# Altium PCB PCB1.PcbDoc (part 2 of 2)
Units mm, origin at the board's own origin, x right, y up, seen from the top; angles counter-clockwise.
Board outline 105.66 x 120.9 mm, 5 copper layers (Top Layer, Mid-Layer 1, Mid-Layer 2, Mid-Layer 3, Bottom Layer); 61 components, 197 nets, 573 pads, 89 vias.
Unrouted connection lines stored in the file: 30.
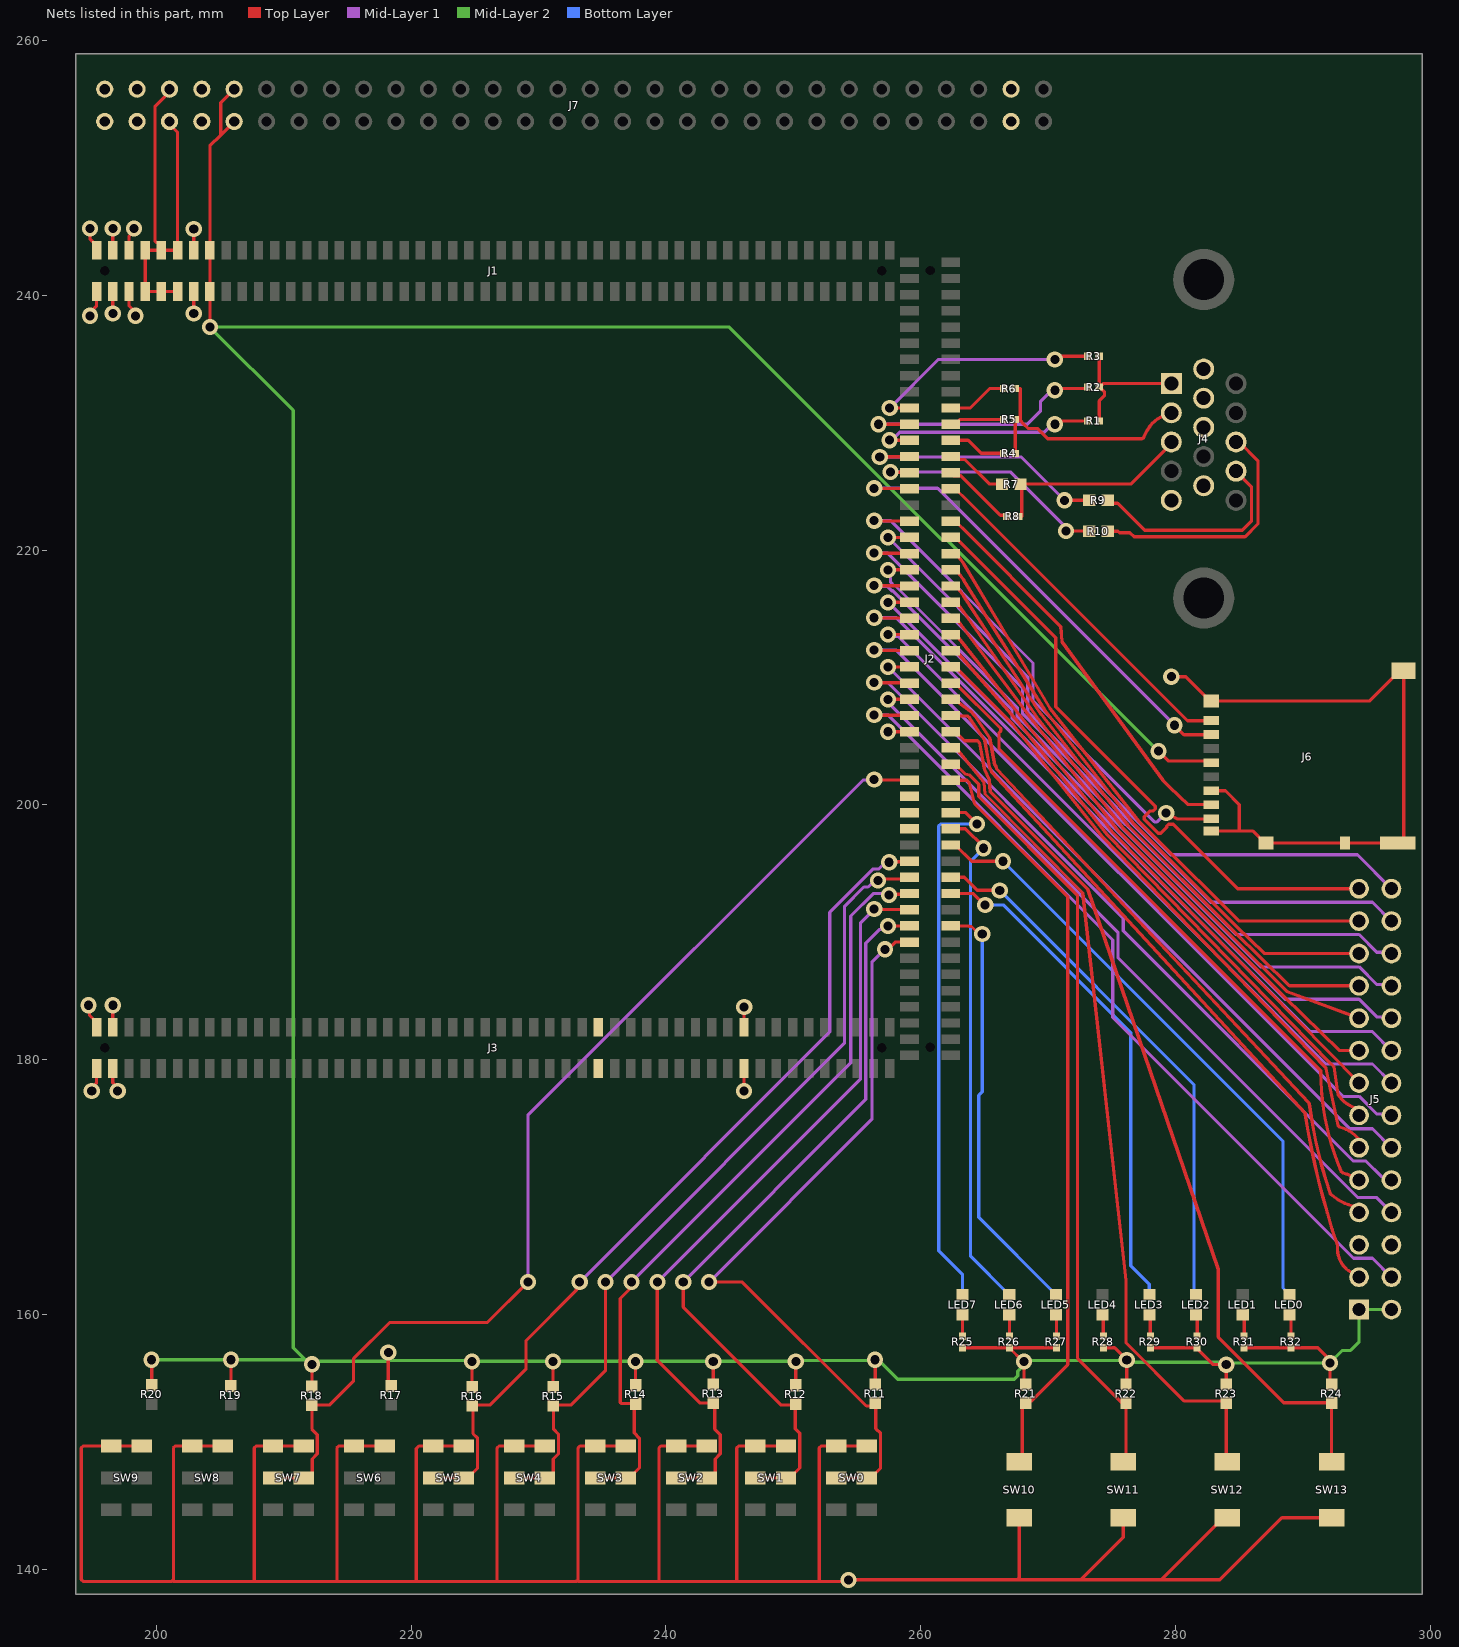
[diagram p5: the nets of this part, all layers, seen from the top]

## Via types
v1: diameter 1.27, hole 0.711, Top Layer to Bottom Layer, 89 vias

## Nets (pads, with @x,y where several pads share a name; then routed paths per layer and width w, separated by ;. In a path a pad name is that pad's centre, name@x,y a point inside that pad or via, vN(x,y) a via of type N, cw(c..) or ccw(c..) an arc to the next point about the centre after c; other vN are vias at no path point) (continued)
AB14: J2.29 J6.1 | length 28
  Top Layer w0.254: J2.29@262.346,224.795 262.711,224.795 263.23,224.276 263.259,224.276 280.925,206.61 J6.1@282.783,206.61
AB16: J2.30 J6.2 | length 37.3
  Top Layer w0.254: v1(256.338,224.842) 256.362,224.819 259.092,224.819 J2.30@259.116,224.795 ; v1(279.908,206.248) 280.646,205.51 J6.2@282.783,205.51
  Mid-Layer 1 w0.254: v1(256.338,224.842) 261.314,224.842 v1(279.908,206.248)
AC13: J2.27 R8.1 | length 5.8
  Top Layer w0.254: J2.27@262.346,226.065 262.589,225.822 263.145,225.822 266.244,222.723 266.666,222.723 R8.1@266.758,222.631
AC14: J2.28 R10.1 | length 18.8
  Top Layer w0.254: v1(257.631,226.129) 257.663,226.097 259.084,226.097 J2.28@259.116,226.065 ; v1(271.399,221.488) R10.1@272.835,221.488
  Mid-Layer 1 w0.254: v1(257.631,226.129) 267.012,226.129 271.399,221.742 v1(271.399,221.488)
AD13: J2.25 R7.1 | length 4.8
  Top Layer w0.254: J2.25@262.346,227.335 262.581,227.1 263.462,227.1 265.391,225.171 R7.1@266.231,225.171
AD14: J2.26 R9.1 | length 19.8
  Top Layer w0.254: v1(256.776,227.299) 256.794,227.317 259.098,227.317 J2.26@259.116,227.335 ; v1(271.272,223.901) R9.1@272.835,223.901
  Mid-Layer 1 w0.254: v1(256.776,227.299) 267.874,227.299 v1(271.272,223.901)
AD15: J2.20 R3.1 | length 18.8
  Top Layer w0.254: v1(257.556,231.14) 257.558,231.142 259.113,231.142 J2.20@259.116,231.145 ; v1(270.51,234.95) 270.785,234.95 271.039,235.204 R3.1@273.108,235.204
  Mid-Layer 1 w0.254: v1(257.556,231.14) 261.366,234.95 v1(270.51,234.95)
ADC_VN: J3.63
ADC_VP: J3.64
AE13: J2.23 R4.1 | length 4.6
  Top Layer w0.254: J2.23@262.346,228.605 263.705,228.605 264.726,227.584 R4.1@266.504,227.584
AE15: J2.24 R1.1 | length 17.4
  Top Layer w0.254: v1(257.537,228.619) 257.544,228.612 259.109,228.612 J2.24@259.116,228.605 ; v1(270.51,229.87) 270.785,229.87 271.039,230.124 272.729,230.124
  Mid-Layer 1 w0.254: v1(257.537,228.619) 257.723,228.619 258.348,229.244 269.699,229.244 270.324,229.87 v1(270.51,229.87)
AF13: J2.21 R5.1 | length 4.3
  Top Layer w0.254: J2.21@262.346,229.875 262.711,229.875 263.087,230.251 R5.1@266.504,230.251
AF14: J2.22 R2.1 | length 20.3
  Top Layer w0.254: v1(256.667,229.87) 256.669,229.872 259.113,229.872 J2.22@259.116,229.875 ; v1(270.51,232.537) 270.637,232.664 R2.1@272.908,232.664
  Mid-Layer 1 w0.254: v1(256.667,229.87) 268.351,229.87 269.397,230.916 269.397,231.678 270.256,232.537 v1(270.51,232.537)
AF15: J2.19 R6.1 | length 4.8
  Top Layer w0.254: J2.19@262.346,231.145 263.867,231.145 265.387,232.664 R6.1@266.504,232.664
B9: J2.83 LED5.1 | length 33.6
  Top Layer w0.254: J2.83@262.346,190.505 263.744,190.505 263.793,190.456 263.972,190.456 264.564,189.865 v1(264.818,189.865)
  Bottom Layer w0.254: v1(264.818,189.865) 264.818,177.484 264.541,177.207 264.541,167.642 LED5.1@270.601,161.582
B10: J2.66 R18.1 SW7.2 SW7.6 | length 84.8
  Top Layer w0.254: SW7.2@209.169,147.193 SW7.6@211.569,147.193 211.869,147.193 212.242,147.566 212.242,148.674 212.646,149.078 212.646,150.59 212.218,151.019 R18.1@212.217,152.908 213.578,152.908 215.492,154.822 215.492,156.564 218.313,159.385 225.99,159.385 v1(229.165,162.56) ; v1@256.362,201.959 J2.66@259.092,201.959
  Mid-Layer 1 w0.254: v1(229.165,162.56) 229.165,175.648 255.471,201.954 256.31,201.954 v1(256.338,201.982)
B11: J2.79 LED3.1 | length 39.8
  Top Layer w0.254: J2.79@262.346,193.045 264.108,193.045 265.002,192.151 v1(265.049,192.151)
  Bottom Layer w0.254: v1(265.049,192.151) 266.466,192.151 276.479,182.138 276.479,163.83 277.93,162.379 LED3.1@277.93,161.582
B12: J2.76 R16.1 SW5.2 SW5.6 | length 67.6
  Top Layer w0.254: SW5.2@221.742,147.193 SW5.6@224.142,147.193 224.442,147.193 225.219,147.97 225.219,150.308 224.861,150.666 224.861,152.379 ; R16.1@224.886,152.654 224.861,152.654 224.861,152.908 226.187,152.908 229.022,155.743 229.022,157.972 232.955,161.905 232.955,162.011 233.229,162.285 v1(233.229,162.56) ; v1(257.515,195.499) 257.557,195.542 259.073,195.542 J2.76@259.116,195.585
  Mid-Layer 1 w0.254: v1(233.229,162.56) 252.857,182.188 252.857,191.566 256.266,194.974 256.714,194.974 257.24,195.499 v1(257.515,195.499)
B14: J2.80 R14.1 SW3.2 SW3.6 | length 61.3
  Top Layer w0.254: SW3.2@234.442,147.193 SW3.6@236.842,147.193 237.142,147.193 237.919,147.97 237.919,150.308 237.505,150.722 237.505,153.035 236.474,153.035 236.404,153.105 236.404,161.268 237.099,161.963 237.099,162.366 v1(237.293,162.56) ; v1(257.512,192.939) 257.565,192.992 259.063,192.992 J2.80@259.116,193.045
  Mid-Layer 1 w0.254: v1(237.293,162.56) 254.508,179.775 254.508,191.282 256.268,193.042 257.408,193.042 v1(257.512,192.939)
C9: J2.84 R12.1 SW1.2 SW1.6 | length 59.3
  Top Layer w0.254: v1(241.357,162.56) 241.357,160.598 249.047,152.908 250.148,152.908 250.148,151.051 250.492,150.707 250.492,147.97 249.715,147.193 SW1.6@249.415,147.193 SW1.2@247.015,147.193 ; v1(257.431,190.502) v1(257.431,190.502) 259.115,190.504 J2.84@259.116,190.505
  Mid-Layer 1 w0.254: v1(241.357,162.56) 255.684,176.887 255.684,189.136 256.777,190.229 256.883,190.229 257.157,190.502 v1(257.431,190.502)
C11: J2.69 LED7.1 | length 43.4
  Top Layer w0.254: J2.69@262.346,199.395 263.52,199.395 v1(264.414,198.501)
  Bottom Layer w0.254: LED7.1@263.023,161.83 LED7.1@263.271,161.582 263.271,163.133 261.399,165.005 261.399,198.352 261.548,198.501 v1(264.414,198.501)
C12: J2.77 LED2.1 | length 42.3
  Top Layer w0.254: J2.77@262.346,194.315 263.41,194.315 264.431,193.294 v1(266.192,193.294)
  Bottom Layer w0.254: v1(266.192,193.294) 281.432,178.054 LED2.1@281.432,161.582
C13: J2.78 R15.1 SW4.2 SW4.6 | length 64.3
  Top Layer w0.254: SW4.2@228.092,147.193 SW4.6@230.492,147.193 230.792,147.193 231.165,147.566 231.165,148.674 231.569,149.078 231.569,150.612 231.183,150.998 231.183,152.908 232.537,152.908 235.261,155.632 v1(235.261,162.56) ; v1(256.643,194.062) 256.77,194.189 258.99,194.189 J2.78@259.116,194.315
  Mid-Layer 1 w0.254: v1(235.261,162.56) 254,181.299 254,192.024 255.532,193.557 255.863,193.557 256.368,194.062 v1(256.643,194.062)
C14: J2.73 LED0.1 | length 47.9
  Top Layer w0.254: J2.73@262.346,196.855 262.711,196.855 263.986,195.58 v1(266.446,195.58)
  Bottom Layer w0.254: v1(266.446,195.58) 288.417,173.609 288.417,162.09 LED0.1@288.925,161.582
D9: J2.86 R11.1 SW0.2 SW0.6 | length 59.8
  Top Layer w0.254: v1(243.389,162.56) 245.999,162.56 255.728,152.831 256.293,152.831 256.47,152.654 256.47,151.065 256.842,150.693 256.842,147.97 256.065,147.193 SW0.6@255.765,147.193 SW0.2@253.365,147.193 ; v1(257.181,188.668) 257.433,188.668 258,189.235 J2.86@259.116,189.235
  Mid-Layer 1 w0.254: v1(243.389,162.56) 256.159,175.33 256.159,187.646 v1(257.181,188.668)
D10: J2.67
D11: J2.61 R23.1 SW12.2 | length 65.7
  Top Layer w0.254: J2.61@262.346,204.475 262.954,204.232 264.898,201.839 264.955,201.761 265.033,200.853 272.702,193.084 276.098,162.687 276.098,157.802 280.68,153.22 R23.1@284.159,153.22 ; R23.1@283.972,153.072 283.972,148.548 SW12.2@284.057,148.463
D13: J2.82 R13.1 SW2.2 SW2.6 | length 60.2
  Top Layer w0.254: v1(239.325,162.56) 239.325,156.407 242.66,153.072 243.826,153.072 243.826,151.026 244.269,150.583 244.269,149.078 243.865,148.674 243.865,147.566 243.492,147.193 SW2.6@243.192,147.193 SW2.2@240.792,147.193 ; v1(256.341,191.825) 256.366,191.8 259.091,191.8 J2.82@259.116,191.775
  Mid-Layer 1 w0.254: v1(239.325,162.56) 255.27,178.505 255.27,190.754 v1(256.341,191.825)
D14: J2.71 LED6.1 | length 40
  Top Layer w0.254: J2.71@262.346,198.125 263.5,198.125 264.922,196.703 v1(264.922,196.596)
  Bottom Layer w0.254: v1(264.922,196.596) 263.906,195.58 263.906,164.587 266.911,161.582 LED6.1@266.936,161.582
E10: J2.72
E11: J2.65 R21.1 SW10.2 | length 59.8
  Top Layer w0.254: J2.65@262.346,201.935 263.624,201.935 263.773,201.786 264.211,200.101 271.526,192.786 271.526,156.083 268.663,153.22 268.097,153.22 267.949,153.097 267.948,153.071 267.948,148.695 SW10.2@267.716,148.463
E12: J2.68
F9: J2.70
F10: J2.63 R22.1 SW11.2 | length 61.2
  Top Layer w0.254: J2.63@262.346,203.205 262.711,203.205 263.489,202.427 263.796,202.349 264.535,201.61 264.541,201.589 264.541,200.66 272.288,192.913 272.288,156.591 R22.1@275.817,153.062 ; R22.1@275.817,152.935 276.022,152.751 R22.1@276.14,152.818 ; SW11.2@275.886,148.463 276.098,148.675 R22.1@276.098,153.072
F12: J2.57 J5.3 | length 56.5
  Top Layer w0.254: J2.57@262.346,207.015 262.393,206.968 263.694,206.968 263.828,206.834 265.012,205.052 265.39,202.972 265.539,202.612 265.557,202.571 290.15,175.794 ccw(c353.913,185.931) 290.162,175.719 ccw(c353.913,185.931) 292.683,165.453 cw(c292.442,165.373) 292.695,165.353 ccw(c294.823,165.175) 294.191,163.136 J5.3@294.386,162.941
F13: J2.58 J5.4 | length 65.2
  Top Layer w0.254: v1@256.362,207.039 J2.58@259.092,207.039
  Mid-Layer 1 w0.254: v1(256.338,207.062) 257.396,207.062 275.061,189.398 275.061,183.319 293.95,164.429 295.438,164.429 J5.4@296.926,162.941
F14: J2.60 | length 1.7
  Top Layer w0.254: v1@257.431,205.742 J2.60@259.114,205.742
  other v1: 257.429,205.74
G9: J2.45 J5.17 | length 47.3
  Top Layer w0.254: J2.45@262.346,214.635 262.954,214.392 263.357,213.844 268.786,206.598 268.886,206.469 275.467,198.002 288.514,184.955 292.86,180.721 J5.17@294.386,180.721
G10: J2.46 J5.18 | length 57.4
  Top Layer w0.254: v1@256.362,214.659 J2.46@259.092,214.659
  Mid-Layer 1 w0.254: v1(256.338,214.682) 258.075,214.682 290.549,182.209 295.438,182.209 J5.18@296.926,180.721
G11: J2.55 J5.7 | length 53
  Top Layer w0.254: J2.55@262.346,208.285 262.954,208.042 263.862,207.372 264.232,207.002 265.401,205.248 265.804,203.144 265.88,203.068 265.944,202.874 265.962,202.822 290.428,176.625 290.484,176.566 ccw(c326.648,181.22) 292.099,169.563 292.1,169.561 ccw(c292.34,169.645) 292.165,169.461 ccw(c294.733,172.199) 294.258,168.475 294.318,168.415 294.393,168.34 J5.7@294.393,168.235 ; J5.7@294.386,168.021 294.393,168.231 J5.7@294.393,168.235
G12: J2.56 J5.8 | length 59.2
  Top Layer w0.254: v1@257.431,208.282 J2.56@259.114,208.282
  Mid-Layer 1 w0.254: v1(257.429,208.28) 257.429,208.026 275.475,189.98 275.475,187.985 294.262,169.197 295.75,169.197 J5.8@296.926,168.021
G14: J2.59 R24.1 SW13.2 | length 69.7
  Top Layer w0.254: J2.59@262.346,205.745 262.711,205.745 263.427,205.029 264.449,205.029 264.598,204.88 264.976,202.89 265.002,202.786 265.369,201.932 265.447,201.024 273.096,193.375 283.337,163.576 283.337,158.242 288.482,153.097 R24.1@292.079,153.097 ; SW13.2@292.227,148.463 R24.1@292.227,153.072
GND: J1.1 J1.2 J1.3 J1.4 J1.5 J1.6 J1.13 J1.14 J3.1 J3.2 J3.3 J3.4 J3.81 J3.82 J4.5 J4.6 J4.7 J4.8 J4.10 J5.5 J5.6 J6.6 J6.MP1 J6.MP2 J6.MP3 J6.MP4 J6.MP5 J6.MP6 J7.1 J7.2 J7.3 J7.4 J7.7 J7.8 J7.57 J7.58 SW0.1 SW0.5 SW1.1 SW1.5 SW2.1 SW2.5 SW3.1 SW3.5 SW4.1 SW4.5 SW5.1 SW5.5 SW6.1 SW6.5 SW7.1 SW7.5 SW8.1 SW8.5 SW9.1 SW9.5 SW10.1 SW11.1 SW12.1 SW13.1 | length 342
  Top Layer w0.254: v1(194.691,184.277) 194.767,184.201 194.767,183.478 195.326,182.919 J3.1@195.326,182.554 ; v1(194.818,238.379) 194.818,238.654 195.326,239.162 J1.2@195.326,240.284 ; v1(194.818,245.237) 194.797,245.216 194.797,244.408 195.326,243.879 J1.1@195.326,243.539 ; v1(194.945,177.546) 194.945,177.821 195.326,178.202 J3.2@195.326,179.324 ; J3.4@196.596,179.324 196.596,178.202 196.977,177.821 v1(196.977,177.546) ; J3.3@196.596,182.554 v1(196.596,184.277) ; v1(196.596,238.561) J1.4@196.596,240.284 ; J1.3@196.596,243.514 v1(196.596,245.237) ; J1.6@197.866,240.284 198.056,240.093 197.866,239.903 197.866,239.162 198.374,238.654 v1(198.374,238.379) ; J1.5@197.866,243.514 197.866,244.619 198.247,245 v1(198.247,245.237) ; SW9.5@198.869,149.693 SW9.1@196.469,149.693 194.262,149.693 194.113,149.544 194.113,139.214 194.262,139.065 201.225,139.065 201.352,139.192 201.352,149.544 201.501,149.693 SW8.1@202.819,149.693 SW8.5@205.219,149.693 ; 201.352,139.065 207.702,139.065 ; v1(202.946,238.561) J1.14@202.946,240.284 ; J1.13@202.946,243.459 v1(202.946,245.182) ; SW7.5@211.569,149.693 SW7.1@209.169,149.693 207.851,149.693 207.702,149.544 207.702,139.065 ; SW6.5@217.919,149.693 SW6.1@215.519,149.693 214.328,149.693 214.179,149.544 214.179,139.065 ; SW5.5@224.142,149.693 SW5.1@221.742,149.693 220.616,149.693 220.402,149.479 220.402,139.065 ; SW4.5@230.492,149.693 SW4.1@228.092,149.693 226.901,149.693 226.752,149.544 226.752,139.065 ; 233.102,139.065 239.452,139.065 ; SW3.5@236.842,149.693 SW3.1@234.442,149.693 233.251,149.693 233.102,149.544 233.102,139.192 232.975,139.065 226.752,139.065 ; SW2.5@243.192,149.693 SW2.1@240.792,149.693 239.601,149.693 239.452,149.544 239.452,139.065 ; v1(246.126,177.546) J3.82@246.126,179.324 ; J3.81@246.126,182.554 246.131,182.559 246.131,184.135 v1(246.136,184.14) ; SW1.5@249.415,149.693 SW1.1@247.015,149.693 245.697,149.693 245.548,149.544 245.548,139.065 ; SW0.5@255.765,149.693 SW0.1@253.365,149.693 252.174,149.693 252.025,149.544 252.025,139.065 ; SW10.1@267.716,144.063 267.716,139.341 267.567,139.192 ; SW11.1@275.886,144.063 275.886,142.536 272.542,139.192 ; v1(279.654,210.058) 280.785,210.058 282.683,208.16 295.233,208.16 297.583,210.51 J6.MP6@297.883,210.51 297.883,197.383 297.51,197.01 J6.MP5@297.432,197.01 J6.MP4@293.282,197.01 J6.MP3@287.083,197.01 286.983,197.01 286.033,197.96 284.988,197.96 ; J6.MP2@282.783,197.96 284.988,197.96 ; J6.6@282.783,201.11 283.903,201.11 284.988,200.025 284.988,197.96 ; SW12.1@284.057,144.063 283.732,144.063 278.892,139.223 278.892,139.192 ; SW13.1@292.227,144.063 288.335,144.063 283.464,139.192 278.892,139.192 ; 207.702,139.065 214.179,139.065 ; 214.179,139.065 220.402,139.065 ; 220.402,139.065 226.752,139.065 ; 239.452,139.065 245.548,139.065 ; 245.548,139.065 252.025,139.065 ; 252.025,139.065 254.184,139.065 v1(254.311,139.192) 267.567,139.192 ; 267.567,139.192 272.542,139.192 ; 272.542,139.192 278.892,139.192
H9: J2.43 J5.19 | length 46.6
  Top Layer w0.254: J2.43@262.346,215.905 262.954,215.662 263.358,215.12 269.007,207.008 269.099,206.878 269.169,206.781 269.2,206.741 275.881,198.174 284.415,189.639 288.697,185.369 J5.19@294.386,183.261
H11: J2.50 J5.14 | length 58.4
  Top Layer w0.254: v1@256.362,212.119 J2.50@259.092,212.119
  Mid-Layer 1 w0.254: v1(256.338,212.142) 258.075,212.142 293.089,177.129 294.386,177.129 295.77,175.745 296.822,175.745 J5.14@296.926,175.641
H12: J2.44 J5.20 | length 54.7
  Top Layer w0.254: v1(257.422,215.893) 258.508,215.893 J2.44@259.114,215.902
  Mid-Layer 1 w0.254: v1(257.422,215.893) 257.436,215.893 288.58,184.749 294.386,184.749 295.77,183.365 296.822,183.365 J5.20@296.926,183.261
H13: J2.51 J5.11 | length 50.5
  Top Layer w0.254: J2.51@262.346,210.825 262.711,210.825 267.202,206.334 267.262,206.274 274.225,197.493 291.794,179.327 292.064,177.97 292.732,174.864 ccw(c292.968,174.958) 292.788,174.779 292.838,174.729 cw(c292.173,171.974) 294.219,173.935 cw(c293.165,172.925) 294.386,173.726 J5.11@294.386,173.101
H14: J2.52 J5.12 | length 56.8
  Top Layer w0.254: v1@257.431,210.822 J2.52@259.114,210.822
  Mid-Layer 1 w0.254: v1(257.429,210.82) 293.66,174.589 295.438,174.589 J5.12@296.926,173.101
J9: J2.41 J5.21 | length 46.8
  Top Layer w0.254: J2.41@262.346,217.175 262.954,216.932 263.358,216.39 269.336,207.268 269.421,207.142 269.516,207.01 276.295,198.345 284.587,190.053 288.921,185.801 J5.21@294.386,185.801
J10: J2.42 J5.22 | length 56.7
  Top Layer w0.254: v1@256.362,217.199 J2.42@259.092,217.199
  Mid-Layer 1 w0.254: v1(256.338,217.222) 256.412,217.148 257.354,217.148 257.7,216.802 257.803,216.802 267.153,207.452 267.153,206.793 286.657,187.289 294.386,187.289 295.77,185.905 296.822,185.905 J5.22@296.926,185.801
J11: J2.49 J5.13 | length 49.2
  Top Layer w0.254: J2.49@262.346,212.095 262.954,211.852 267.683,206.44 274.639,197.661 292.134,179.741 292.283,179.592 292.416,179.459 292.735,177.291 ccw(c294.869,178.584) 294.263,176.164 294.311,176.116 294.386,176.041 J5.13@294.386,175.641
J12: J2.47 J5.15 | length 47.7
  Top Layer w0.254: J2.47@262.346,213.365 262.954,213.122 268.101,206.59 275.053,197.831 J5.15@294.386,178.181
J13: J2.48 J5.16 | length 55.8
  Top Layer w0.254: v1@257.431,213.362 J2.48@259.114,213.362
  Mid-Layer 1 w0.254: v1(257.429,213.36) 257.576,213.213 258.211,213.213 291.755,179.669 295.438,179.669 J5.16@296.926,178.181
J14: J2.53 J5.9 | length 52.5
  Top Layer w0.254: J2.53@262.346,209.555 262.711,209.555 266.191,206.075 266.265,206.001 266.265,205.895 266.265,205.79 266.134,205.659 266.134,204.401 291.38,179.155 ccw(c311.578,179.114) 291.38,179.051 ccw(c311.578,179.114) 292.963,171.273 ccw(c293.197,171.373) 293.12,171.131 cw(c291.467,165.77) 293.122,171.131 cw(c291.467,165.77) J5.9@294.386,170.561
J15: J2.54 J5.10 | length 60.1
  Top Layer w0.254: v1@256.362,209.579 J2.54@259.092,209.579
  Mid-Layer 1 w0.254: v1(256.338,209.602) 257.396,209.602 275.879,191.12 275.879,190.121 293.95,172.049 294.93,172.049 296.17,170.809 296.678,170.809 J5.10@296.926,170.561
K9: J2.39 J5.23 | length 46.6
  Top Layer w0.254: J2.39@262.346,218.445 262.954,218.202 263.358,217.66 269.75,207.398 269.834,207.278 276.709,198.517 284.758,190.467 286.951,188.341 J5.23@294.386,188.341
K10: J2.40 J5.24 | length 54.5
  Top Layer w0.254: v1@257.431,218.442 J2.40@259.114,218.442
  Mid-Layer 1 w0.254: v1(257.429,218.44) 257.623,218.246 257.623,217.464 257.872,217.216 257.974,217.216 267.567,207.623 267.567,206.964 284.703,189.829 294.386,189.829 295.77,188.445 296.822,188.445 J5.24@296.926,188.341
NetJ4_1: J4.1 R1.2 R2.2 R3.2 | length 11.2
  Top Layer w0.254: R1.2@274.008,230.124 274.008,231.702 274.408,232.102 274.408,232.416 R2.2@274.033,232.791 ; R3.2@274.008,235.204 R2.2@274.008,232.791 R2.2@274.033,232.791 ; J4.1@279.654,233.057 274.299,233.057 R2.2@274.033,232.791
NetJ4_2: J4.2 R4.2 R5.2 R6.2 | length 19.3
  Top Layer w0.254: R4.2@267.404,227.584 R5.2@267.404,230.251 267.483,230.172 267.783,230.172 268.033,229.922 268.033,229.916 268.408,229.541 269.139,229.541 269.878,228.801 269.952,228.727 277.278,228.727 277.312,228.727 277.345,228.736 ccw(c277.278,228.981) 277.516,228.893 cw(c280.304,227.869) J4.2@279.654,230.767 ; R6.2@267.404,232.664 267.804,232.664 267.804,230.198
NetJ4_3: J4.3 R7.2 R8.2 | length 15.8
  Top Layer w0.254: R8.2@267.91,222.631 267.91,225.15 267.931,225.171 276.479,225.171 J4.3@279.801,228.493
NetJ4_13: J4.13 R10.2 | length 19.7
  Top Layer w0.254: R10.2@274.789,221.742 275.051,221.48 275.471,221.48 275.59,221.361 276.407,221.361 276.732,221.036 285.444,221.036 286.448,222.04 286.448,227.013 284.984,228.477 J4.13@284.734,228.477
NetJ4_14: J4.14 R9.2 | length 16.9
  Top Layer w0.254: R9.2@274.789,223.901 275.019,223.671 275.439,223.671 277.566,221.544 285.234,221.544 285.94,222.25 285.94,224.981 J4.14@284.734,226.187
NetLED0_2: LED0.2 R32.2 | length 1.7
  Top Layer w0.254: LED0.2@288.925,159.982 289.052,159.855 R32.2@289.052,158.311
NetLED1_2: LED1.2 R31.2 | length 1.7
  Top Layer w0.254: LED1.2@285.26,159.982 285.369,159.873 R31.2@285.369,158.311
NetLED2_2: LED2.2 R30.2 | length 1.7
  Top Layer w0.254: LED2.2@281.595,159.982 281.686,159.891 R30.2@281.686,158.311
NetLED3_2: LED3.2 R29.2 | length 1.7
  Top Layer w0.254: LED3.2@277.93,159.982 278.003,159.909 R29.2@278.003,158.311
NetLED4_2: LED4.2 R28.2 | length 1.7
  Top Layer w0.254: LED4.2@274.266,159.982 274.32,159.928 R28.2@274.32,158.311
NetLED5_2: LED5.2 R27.2 | length 1.7
  Top Layer w0.254: LED5.2@270.601,159.982 270.637,159.946 R27.2@270.637,158.311
NetLED6_2: LED6.2 R26.2 | length 1.7
  Top Layer w0.254: LED6.2@266.936,159.982 266.954,159.964 R26.2@266.954,158.311
NetLED7_2: LED7.2 R25.2 | length 1.7
  Top Layer w0.254: R25.2@263.271,158.311 LED7.2@263.271,159.982
VDD3.3: J1.15 J1.16 J5.1 J5.2 J6.4 J7.9 J7.10 R11.2 R12.2 R13.2 R14.2 R15.2 R16.2 R17.2 R18.2 R19.2 R20.2 R21.2 R22.2 R23.2 R24.2 R25.1 R26.1 R27.1 R28.1 R29.1 R30.1 R31.1 R32.1 | length 354.1
  Top Layer w0.254: R20.2@199.644,154.686 R20.2@199.644,154.463 v1(199.644,156.464) ; v1(204.216,237.49) J1.16@204.216,240.284 J1.15@204.216,243.514 204.216,251.714 205.064,252.562 ; v1(205.867,156.464) 205.867,154.325 R19.2@205.924,154.268 ; J7.10@206.121,253.619 205.064,252.562 ; J7.9@206.121,256.159 205.064,255.102 205.064,252.562 ; R18.2@212.217,154.358 v1(212.217,156.105) ; v1(218.214,157.03) 218.214,154.482 R17.2@218.341,154.355 ; R16.2@224.79,154.336 v1(224.79,156.337) ; R15.2@231.14,154.336 v1(231.14,156.337) ; R14.2@237.617,154.463 v1(237.617,156.337) ; R13.2@243.713,154.522 v1(243.713,156.337) ; R12.2@250.19,154.463 v1(250.19,156.337) ; R11.2@256.413,154.522 v1(256.413,156.464) ; R25.1@263.271,157.411 R26.1@266.954,157.411 266.954,157.386 268.003,156.337 v1(268.097,156.337) R21.2@268.097,154.395 ; R26.1@266.961,157.411 R27.1@270.637,157.411 ; R21.2@267.97,154.12 R21.2@267.97,154.395 ; R28.1@274.291,157.411 R28.1@274.32,157.411 275.199,157.411 v1(276.157,156.454) R22.2@276.157,154.11 ; R29.1@277.93,157.411 R29.1@278.003,157.411 281.62,157.411 282.946,156.085 283.95,156.085 v1(283.962,156.073) 283.962,154.354 R23.2@284.073,154.243 ; v1(278.638,204.216) 279.4,203.454 282.639,203.454 J6.4@282.783,203.31 ; R31.1@285.369,157.411 R32.1@289.052,157.411 291.153,157.411 292.1,156.464 v1(292.1,156.21) 292.1,154.649 R24.2@292.227,154.522
  Mid-Layer 2 w0.254: v1(199.644,156.464) v1(205.867,156.464) 211.858,156.464 v1@211.939,156.383 ; v1(278.638,204.216) 262.001,220.853 261.617,220.853 244.98,237.49 v1(204.216,237.49) 210.749,230.957 210.749,157.403 211.942,156.21 212.217,156.21 212.344,156.337 218.186,156.337 218.313,156.464 218.376,156.4 224.726,156.4 v1(224.79,156.337) v1(231.14,156.337) v1(237.617,156.337) v1(243.713,156.337) v1(250.19,156.337) 250.254,156.4 256.349,156.4 v1(256.413,156.464) 256.667,156.464 258.191,154.94 267.335,154.94 267.606,155.211 267.606,155.571 268.097,156.062 v1(268.097,156.337) 268.155,156.395 276.099,156.395 v1(276.157,156.454) 276.347,156.263 v1@283.83,156.263 ; v1@284.152,156.205 292.095,156.205 v1(292.1,156.21) 293.086,157.196 293.721,157.196 294.386,157.861 J5.1@294.386,160.401 J5.2@296.926,160.401
VDD12: J1.7 J1.8 J1.9 J1.10 J1.11 J1.12 J7.5 J7.6 | length 32.1
  Top Layer w0.254: J7.6@201.041,253.619 201.041,253.396 201.676,252.761 J1.11@201.676,243.514 J1.9@200.406,243.514 ; J7.5@201.041,256.159 201.041,255.936 199.898,254.793 199.898,244.271 200.047,244.122 200.163,244.122 200.406,243.879 J1.9@200.406,243.514 ; J1.12@201.676,240.284 J1.10@200.406,240.284 J1.8@199.136,240.284 J1.7@199.136,243.514 J1.9@200.406,243.514
W12: J2.38 J5.26 | length 56.5
  Top Layer w0.254: v1@256.362,219.739 J2.38@259.092,219.739
  Mid-Layer 1 w0.254: v1(256.338,219.762) 257.396,219.762 267.971,209.188 267.971,207.85 267.981,207.84 267.981,207.136 282.748,192.369 295.438,192.369 J5.26@296.926,190.881
W13: J2.37 J5.25 | length 46.3
  Top Layer w0.254: J2.37@262.346,219.715 262.954,219.472 263.358,218.93 270.158,207.542 277.123,198.688 278.444,197.367 284.981,190.881 J5.25@294.386,190.881
W14: J2.36 J5.28 | length 54.2
  Top Layer w0.254: v1@257.431,220.982 J2.36@259.114,220.982
  Mid-Layer 1 w0.254: v1(257.429,220.98) 268.385,210.024 268.385,208.022 268.395,208.012 268.395,207.307 279.616,196.087 294.26,196.087 J5.28@296.926,193.421
W15: J2.35 J5.27 | length 49.2
  Top Layer w0.254: J2.35@262.346,220.985 262.711,220.985 270.578,213.118 270.578,207.704 278.393,199.889 278.393,199.679 278.244,199.53 277.996,199.53 277.537,199.07 277.537,198.86 278.616,197.781 278.826,197.781 279.286,198.24 279.286,198.334 279.435,198.482 279.8,198.482 284.861,193.421 J5.27@294.386,193.421
Y15: J2.34 J6.8 | length 41.1
  Top Layer w0.254: v1@256.362,222.279 J2.34@259.092,222.279 ; v1(279.253,199.376) 280.137,198.896 280.347,198.896 282.769,198.896 J6.8@282.783,198.91
  Mid-Layer 1 w0.254: v1(256.338,222.302) 257.631,222.302 268.799,211.134 268.799,208.193 278.329,198.663 278.54,198.663 v1(279.253,199.376)
Y16: J2.33 J6.7 | length 31.3
  Top Layer w0.254: J2.33@262.346,222.255 262.711,222.255 263.23,221.736 263.239,221.736 270.908,214.067 270.982,213.993 271.076,212.804 278.996,201.933 279.53,201.399 280.989,200.025 282.768,200.025 J6.7@282.783,200.01
pads on no net: J1.17 J1.18 J1.19 J1.20 J1.21 J1.22 J1.23 J1.24 J1.79 J1.80 J1.81 J1.82 J1.83 J1.84 J1.85 J1.86 J1.87 J1.88 J1.89 J1.90 J1.91 J1.92 J1.93 J1.94 J1.95 J1.96 J1.97 J1.98 J1.99 J1.100 J1.101 J1.102 J2.1 J2.2 J2.3 J2.4 J2.5 J2.6 J2.7 J2.8 J2.9 J2.10 J2.11 J2.12 J2.13 J2.14 J2.15 J2.16 J2.17 J2.18 J2.85 J2.87 J2.88 J2.89 J2.90 J2.91 J2.92 J2.93 J2.94 J2.95 J2.96 J2.97 J2.98 J2.99 J2.100 J2.101 J2.102 J3.5 J3.6 J3.7 J3.8 J3.9 J3.10 J3.11 J3.12 J3.13 J3.14 J3.15 J3.16 J3.17 J3.18 J3.19 J3.20 J3.83 J3.84 J3.85 J3.86 J3.87 J3.88 J3.89 J3.90 J3.91 J3.92 J3.93 J3.94 J3.95 J3.96 J3.97 J3.98 J3.99 J3.100 J3.101 J3.102 J4.4 J4.9 J4.11 J4.12 J4.15 J4.MH1 J4.MH2 J7.59 J7.60 SW0.3 SW0.7 SW1.3 SW1.7 SW2.3 SW2.7 SW3.3 SW3.7 SW4.3 SW4.7 SW5.3 SW5.7 SW6.3 SW6.7 SW7.3 SW7.7 SW8.3 SW8.7 SW9.3 SW9.7

## Polygon pours and split planes (outlines as drawn)
GND on Mid-Layer 3 "GND_L04_P000" (solid, pour order 0): 193.675,258.953 299.339,258.953 299.339,138.049 193.675,138.049